# Altium PCB PIXHACK_V3D.PcbDoc (part 1 of 3) (continued)
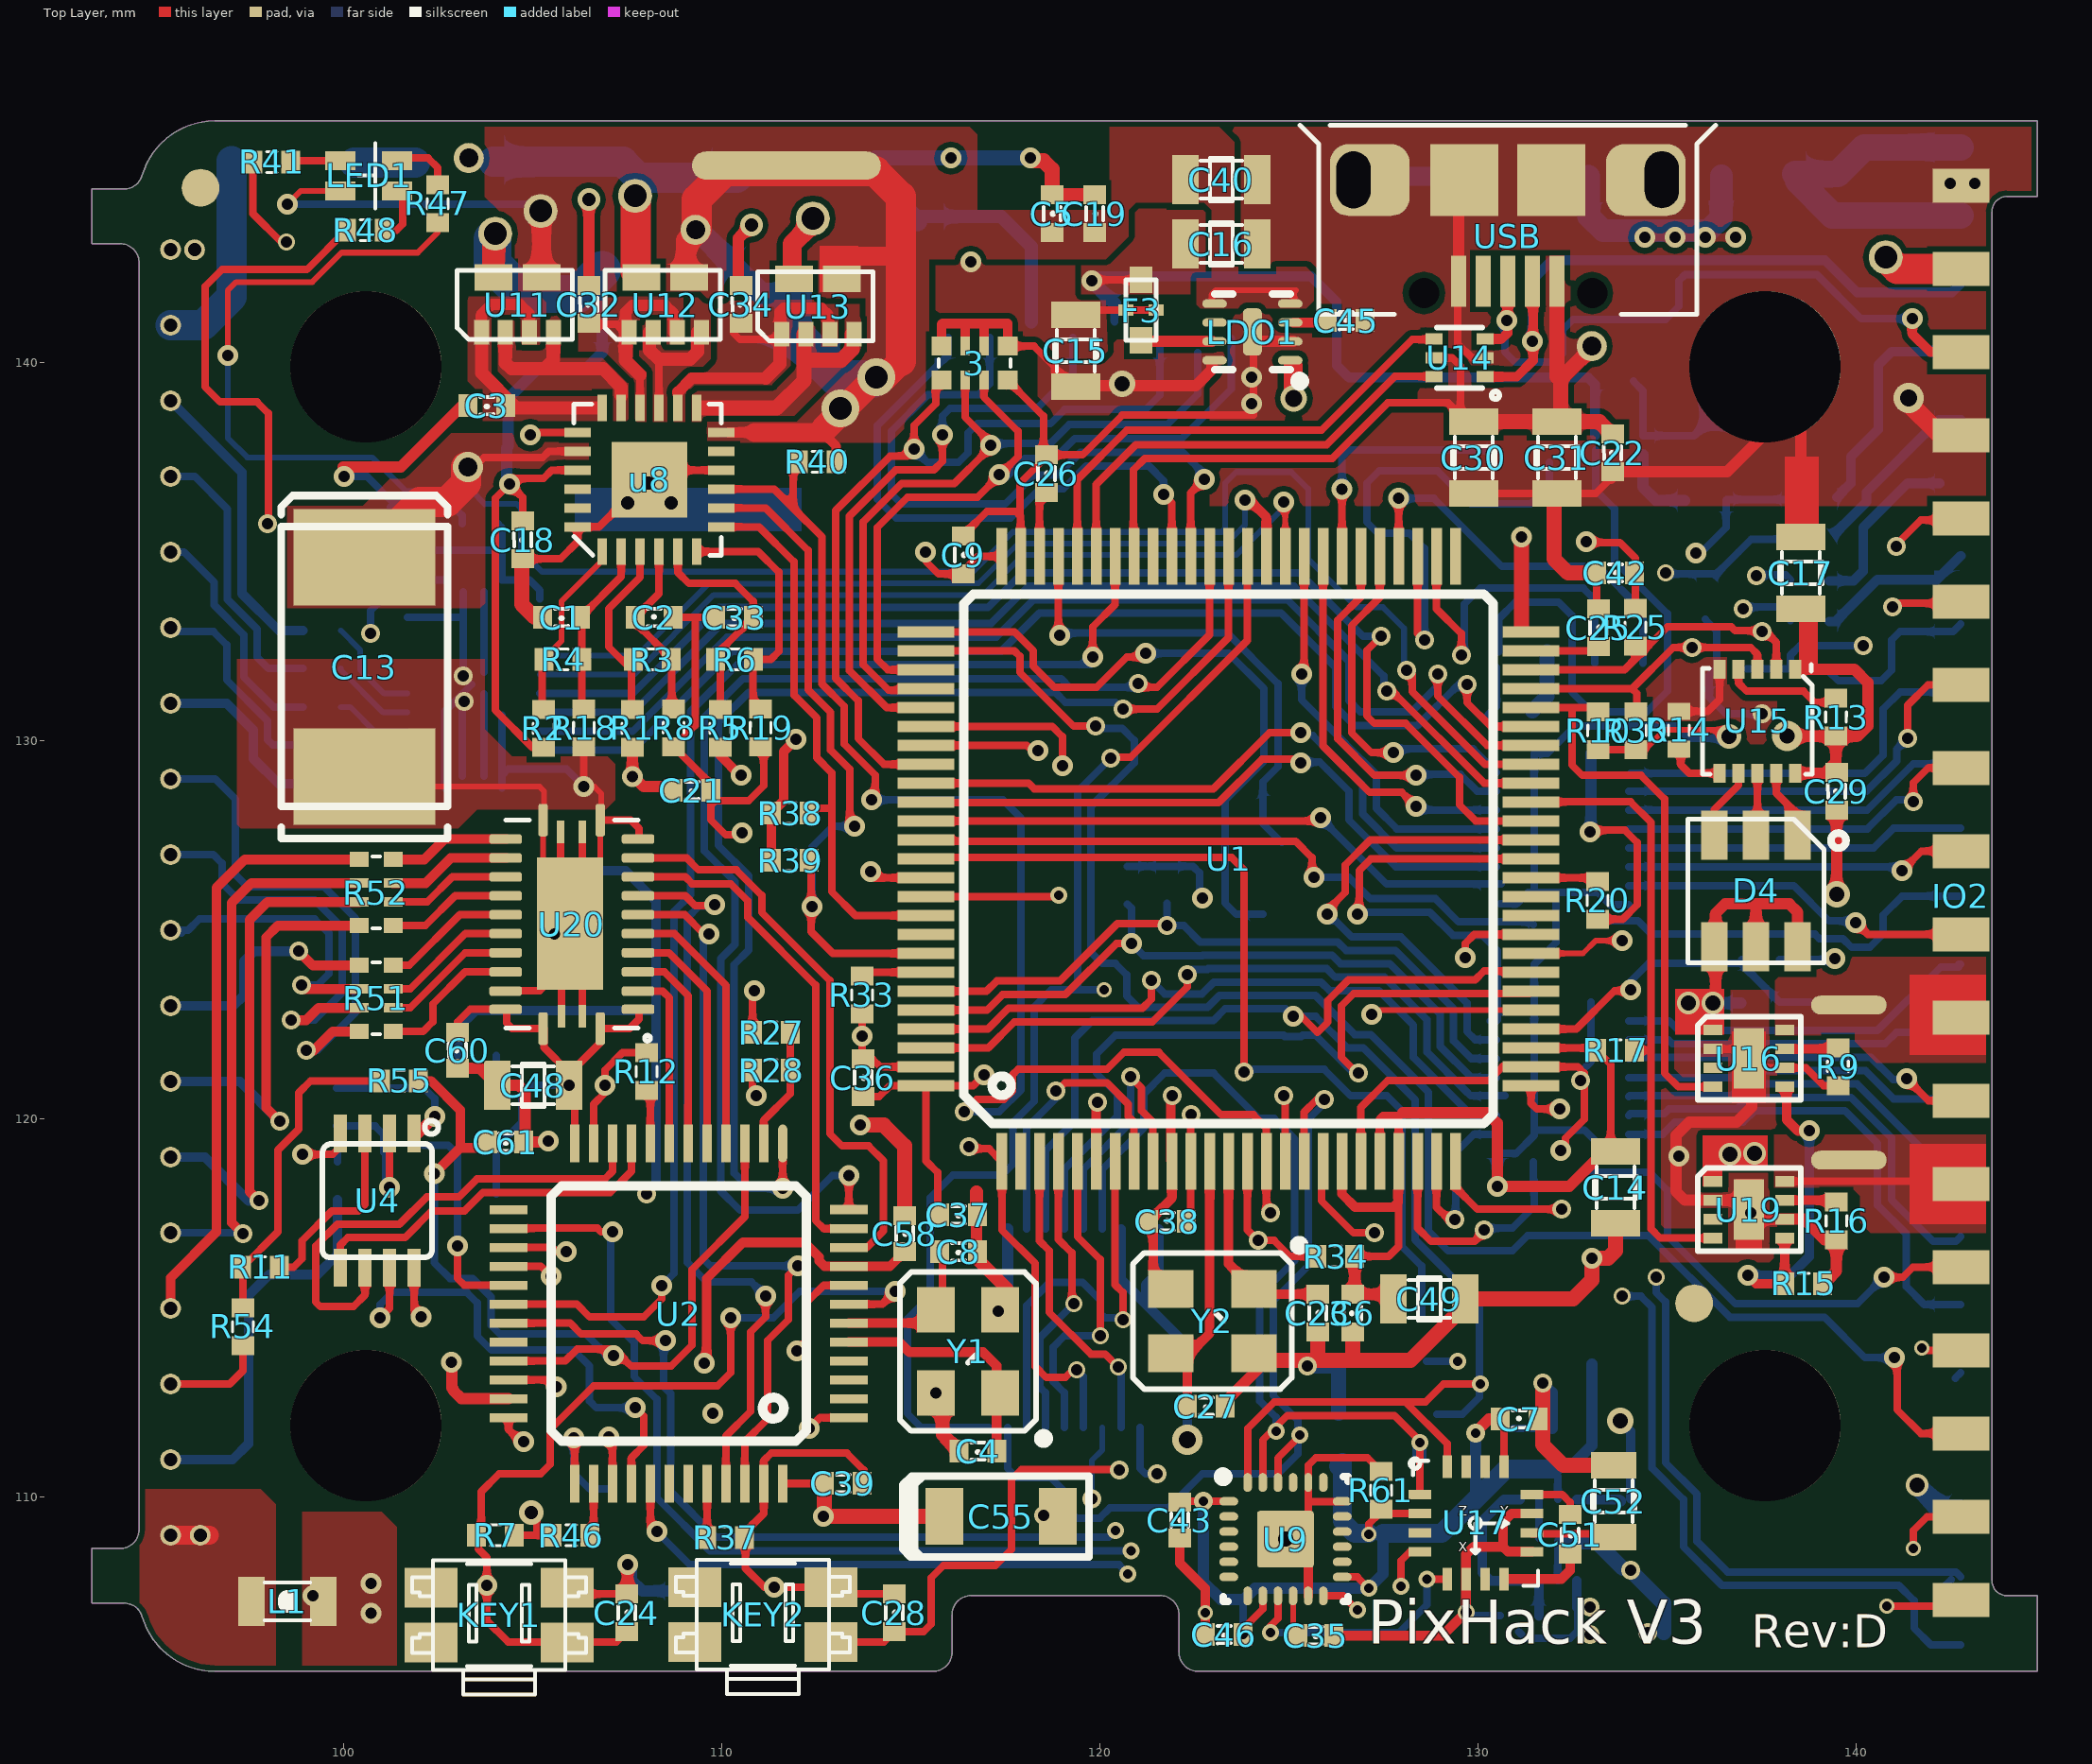
[diagram p0: Top Layer view]
## Components (designator, comment, footprint, x,y, rotation, side; value= is the part's Value field where it differs from the comment) (continued)
U13 "NTHD4102PT1G" 1206A?03 112.5,141.475 r0 top
U14 "NUF2042XV6T1G" SOT563-6 129.55,140.075 r180 top
U15 "TCA62724FMG" SON10 137.406,130.606 r270 top
U16 "BQ243156" QFN8#1 137.152,121.589 r0 top
U17 "HMC5983" HMC5983 130.025,109.275 r0 top
U18 "ms5611" ms5611 127.425,112.875 r270 bottom
U19 "BQ243156" QFN8#2 137.152,117.588 r0 top
U20 "SN74LVC8T245" QFN24-RGY 105.975,125.025 r90 top
USB "moles usb" "MOLES USB" 130.704,143.547 r0 top
Y1 "NX3225SA-24.000M-STD-CRS-2" TSX-3225 116.586,113.871 r270 top
Y2 "NX3225SA-24.000M-STD-CRS-2" TSX-3225 122.928,114.731 r0 top

## Footprints (in the part's own frame and the unit in brackets; to place one, negate y for a bottom-side part, rotate by r counter-clockwise, add the part's x,y. Pads: shape width x height; smd on the part's side, far side on the other; paste and mask are expansions set on the pad)
0402_4R#1 [mm]
  rect 0.525x0.5 smd: 1(-0.85,-0.425) 4(0.9,-0.425) 5(0.9,0.475) 8(-0.85,0.475)
  rect 0.25x0.5 smd: 2(-0.225,-0.425) 3(0.275,-0.425) 6(0.275,0.475) 7(-0.225,0.475)
  silkscreen extent -0.93,-0.08 0.97,0.12, body extent -0.97,-0.5 1.03,0.5, height 0.45
0402_4R#2 [mm]
  rect 0.4x0.5 smd: 1(-0.85,-0.425) 4(0.9,-0.425) 5(0.9,0.475) 8(-0.85,0.475)
  rect 0.25x0.5 smd: 2(-0.225,-0.425) 3(0.275,-0.425) 6(0.275,0.475) 7(-0.225,0.475)
  silkscreen extent -0.93,-0.08 0.97,0.12, body extent -0.97,-0.5 1.03,0.5, height 0.45
0402CAP#1 [mm]
  rect 0.5x0.6 smd: 1(0.5,0) 2(-0.5,0)
  silkscreen extent -0.18,-0.23 0.18,0.23, body extent -0.5,-0.25 0.5,0.25, height 0.5
0402CAP#2 [mm]
  rect 0.5x0.6 smd: 1(-0.475,-0.025) 2(0.475,-0.025)
  silkscreen extent -0.18,-0.25 0.18,0.2, body extent -0.5,-0.28 0.5,0.22, height 0.5
0402CAP#3 [mm]
  rect 0.5x0.6 smd: 1(0.55,0) 2(-0.5,0)
  silkscreen extent -0.18,-0.23 0.18,0.23, body extent -0.5,-0.25 0.5,0.25, height 0.5
0603RGB [mm]
  rect 0.5x0.8 smd: 1(0.45,-0.825) 2(-0.35,-0.825) 3(-0.35,0.675) 4(0.45,0.675)
  silkscreen extent -0.81,-0.25 0.91,0.2, body extent -0.77,-0.87 0.85,0.75, height 0.8
0805CAP [mm]
  rect 0.7x1.3 smd: 1(-0.95,-0.025) 2(0.95,-0.025)
  silkscreen extent -0.55,-0.6 0.55,0.55, body extent -1.02,-0.62 0.98,0.58, height 1.2
0805cap#1 [mm]
  rect 0.7x1.3 smd: 1(-0.95,-0.025) 2(0.95,-0.025)
  silkscreen extent -0.55,-0.6 0.55,0.55, body extent -1.02,-0.62 0.98,0.58, height 1.2
0805cap#2 [mm]
  rect 0.7x1.2 smd: 1(-0.95,-0.025) 2(0.95,-0.025)
  silkscreen extent -0.55,-0.6 0.55,0.55, body extent -1.02,-0.62 0.98,0.58, height 1.2
0805L [mm]
  rect 0.7x1.3 smd: 1(-0.95,0.025) 2(0.95,0.025)
  silkscreen extent -0.6,-0.47 0.6,0.53, body extent -0.97,-0.6 1.03,0.65, height 0.45
1206A?03 [mm]
  rect 0.4x0.65 smd: 1(-0.918,-0.73) 2(-0.283,-0.73) 3(0.352,-0.73) 4(0.987,-0.73)
  rect 1x0.7 smd: 5(0.67,0.725) 8(-0.6,0.725)
  silkscreen extent -1.56,-0.91 1.49,0.92, body extent -1.53,-1.08 1.58,1.13, height 1.1
7343CAP#1 [mm]
  rect 2x3.5 smd: A(-2.518,-0.084) C(3.289,-0.084)
  silkscreen extent -4.15,-2.28 4.92,2.12, body extent -3.14,-2.4 4.16,1.9, height 2.25
7343CAP#2 [mm]
  rect 2.55x3.75 smd: A(-2.518,-0.084) C(3.289,-0.084)
  silkscreen extent -4.15,-2.28 4.92,2.12, body extent -3.14,-2.4 4.16,1.9, height 2.25
47352-1001 [mm]
  rect 0.7x1.5 smd: 1(-2.233,4.902) 2(-1.133,4.502) 3(-0.033,4.902) 4(1.067,5.122) 5(2.167,4.902) 6(3.267,5.122) 7(4.367,4.902) 8(5.467,4.902)
  rect 1.4x1.9 smd: NC(-7.143,8.732) NC(6.257,7.732)
  rect 1.8x1.8 smd: NC1(-1.043,-5.85) NC2(4.657,-5.85)
  silkscreen extent -7.59,-5.82 6.71,10.98, body extent -7.4,-6.11 6.7,9.09, height 1.9
0547220204 [mm]
  rect 0.25x1.25 smd: 1(-2.05,2.475) 2(-1.55,2.475) 3(-1.05,2.475) 4(-0.55,2.475) 5(-0.05,2.475) 6(0.45,2.475) 7(0.95,2.475) 8(1.45,2.475) 9(1.95,2.475) 10(2.45,2.475) 11(2.45,-2.775) 12(1.95,-2.775) 13(1.45,-2.775) 14(0.95,-2.775) 15(0.45,-2.775) 16(-0.05,-2.775) 17(-0.55,-2.775) 18(-1.05,-2.775) 19(-1.55,-2.775) 20(-2.05,-2.775)
  silkscreen extent -3.58,-2.67 3.97,2.33, body extent -3.6,-3.13 4,2.87, height 1.07
c1206a [mm]
  rect 1x1.5 smd: 1(0,0) 2(3,0)
  silkscreen extent -1.09,-1.07 3.83,1.07, body extent -0.1,-0.81 3.1,0.79, height 0.95
ESD0402 [mm]
  rect 0.5x0.6 smd: 1(-0.55,-0.025) 2(0.45,-0.025)
  silkscreen extent -0.05,-0.33 -0.05,0.27, body extent -0.55,-0.28 0.45,0.22, height 0.3
EVQ-P7J01P#1 [mm]
  rect 1.4x1.05 smd: A1(-1.799,0.763) A2(1.801,0.763) A3(-1.799,-0.687) A4(1.801,-0.687)
  silkscreen extent -2.3,-2.06 2.3,1.49, body extent -2.35,-2.05 2.35,1.5, height 1.35
EVQ-P7J01P#2 [mm]
  rect 1.4x1.05 smd: A1(-1.799,0.763) A2(1.801,0.763) A4(1.801,-0.687) B3(-1.799,-0.687)
  silkscreen extent -2.3,-2.06 2.3,1.49, body extent -2.35,-2.05 2.35,1.5, height 1.35
HMC5983 [mm]
  rect 0.6x0.25 smd: 1(-1.577,0.784) 2(-1.577,0.276) 3(-1.577,-0.228) 4(-1.577,-0.728) 9(1.393,-0.728) 10(1.393,-0.228) 11(1.393,0.276) 12(1.393,0.784)
  rect 0.25x0.6 smd: 5(-0.852,-1.453) 6(-0.352,-1.453) 7(0.152,-1.453) 8(0.66,-1.453) 13(0.66,1.518) 14(0.152,1.518) 15(-0.352,1.518) 16(-0.852,1.518)
  silkscreen extent -1.83,-1.63 1.55,1.73, body extent -1.6,-1.47 1.44,1.57, height 0.9
KYOCERA-KNH16-DA [mm]
  rect 0.3x0.4 smd: 0(0.022,0.283) 0(0.022,-0.517)
  rect 0.7x0.6 smd: 1(0.822,-0.117) 2(-0.778,-0.117)
  silkscreen extent -0.78,-0.52 0.82,0.28
LRTB [mm]
  rect 0.7x1.3 smd: A1(-1.008,1.477) A2(0.092,1.477) A3(1.192,1.477) C1(-1.008,-1.473) C2(0.092,-1.473) C3(1.192,-1.473)
  silkscreen extent -2.29,-1.9 1.89,1.9, body extent -1.67,-1.8 1.83,1.8, height 2.01
mic5530 [mm] "QFN, 8-Leads, Body 2.0x2.0mm (max), Pitch 0.00mm, Pitch1 0.50mm, IPC Medium Density"
  oval 0.65x0.225 smd: 1(-1,0.75) 2(-1,0.25) 3(-1,-0.25) 4(-1,-0.75) 5(1,-0.75) 6(1,-0.25) 7(1,0.25) 8(1,0.75)
  rrect50% 0.5x1.25 smd: 2(0,0)
  silkscreen extent -1.38,-1 1,1.42, body extent -1,-1 1,1, height 0.85
MIC5530 [mm] "QFN, 8-Leads, Body 2.0x2.0mm (max), Pitch 0.00mm, Pitch1 0.50mm, IPC Medium Density"
  oval 0.65x0.225 smd: 1(-1,0.75) 2(-1,0.25) 3(-1,-0.25) 4(-1,-0.75) 5(1,-0.75) 6(1,-0.25)
  rrect50% 0.5x1.25 smd: 2(0,0)
  oval 0.65x0.25 smd: 7(1,0.25) 8(1,0.75)
  silkscreen extent -1.37,-1 1,1.43, body extent -1,-1 1,1, height 0.85
"MOLES USB" [mm]
  round 0 hole 0.8: 0(-2.142,-1.716) 0(2.308,-1.716)
  rect 0.4x1.35 smd: 1(1.376,-1.4) 2(0.726,-1.4) 3(0.075,-1.4) 4(-0.575,-1.4) 5(-1.225,-1.4)
  round 0 hole 0.9 slot 1.5 at 90 deg: 5(-4.005,1.275) 5(4.149,1.282)
  rrect50% 2.1x1.9 smd: 5(-3.575,1.273) 5(3.726,1.273)
  rect 1.8x1.9 smd: 5(-1.073,1.273) 5(1.227,1.273)
  Top Layer lines w0.254: 0.02,-1.88 0.071,-1.829 0.075,-1.825
  silkscreen extent -5.42,-2.27 5.58,2.73, body extent -3.92,-1.87 4.06,3.56, height 2.67
MS621FE [mm]
  rect 1.7x0.75 smd: 1(-3.817,0.739) 2(-3.817,-0.761)
  silkscreen extent -2.06,-3.41 4.73,3.39, body extent -4.65,-3.4 4.65,3.4, height 2.6
ms5611 [mm]
  rect 0.6x1.1 smd: 1(1.925,1.125) 2(0.675,1.125) 3(-0.575,1.125) 4(-1.825,1.125) 5(-1.825,-1.075) 6(-0.575,-1.075) 7(0.675,-1.075) 8(1.925,-1.075)
  silkscreen extent -2.7,-1.73 2.8,1.77, body extent -2.47,-1.53 2.53,1.47, height 1
PIX_OP [mm]
  rect 1.5x0.9 smd: 1(0.323,-17.367) 2(0.323,-15.167) 3(0.323,-12.967) 4(0.323,-10.767) 5(0.323,-8.567) 6(0.323,-6.367) 7(0.323,-4.167) 8(0.323,-1.967) 9(0.323,0.233) 10(0.323,2.433) 11(0.323,4.633) 12(0.323,6.833) 13(0.323,9.033) 14(0.323,11.233) 15(0.323,13.433) 16(0.323,15.633) 17(0.323,17.833) 18(0.323,20.033)
  rect 1.4x0.8 smd far side: 19(0.315,-18.556) 20(0.315,-16.756) 21(0.315,-14.956) 22(0.315,-13.156) 23(0.315,-11.356) 24(0.315,-9.556) 25(0.315,-7.756) 26(0.315,-5.956) 27(0.315,-4.156) 28(0.315,-2.356) 29(0.315,-0.556) 30(0.315,1.244) 31(0.315,3.044) 32(0.315,4.844) 33(0.315,6.644) 34(0.315,8.444) 35(0.315,10.244) 36(0.315,12.044) 37(0.315,13.844) 38(0.315,15.644) 39(0.315,17.444) 40(0.315,19.244) 41(0.315,21.044)
pix_pwm_out [mm]
  round 4 hole 4: 0(1.524,-8.331)
  rect 2x1 smd far side: 1(-3.41,-11.235)
  rect 1.5x1 smd far side: 2(-3.645,-9.235) 3(-3.645,-7.235) 4(-3.645,-5.235) 5(-3.645,-3.235) 6(-3.645,-1.235) 7(-3.645,0.765) 8(-3.645,2.765) 9(-3.645,4.765) 10(-3.645,6.765) 11(-3.645,8.765) 12(-3.645,10.765) 13(-3.645,12.765) 14(-3.645,14.765) 15(-3.645,16.765) 16(-3.645,18.765) 17(-3.645,20.765)
  rect 1.8x1 smd far side: 18(-3.51,22.765)
QFN8#1 [mm]
  rect 0.5x0.28 smd: 1(-0.95,0.75) 2(-0.95,0.25) 3(-0.95,-0.25) 4(-0.95,-0.75) 5(0.95,-0.75) 6(0.95,-0.25) 7(0.95,0.25) 8(0.95,0.75)
  rect 0.8x1.6 smd paste+0: 2(0,0)
  silkscreen extent -1.35,-1.1 1.38,1.1, body extent -1.03,-1 1.08,1, height 0.94
QFN8#2 [mm]
  rect 0.5x0.28 smd: 1(-0.95,0.75) 2(-0.95,0.25) 3(-0.95,-0.25) 4(-0.95,-0.75) 5(0.95,-0.75) 6(0.95,-0.25) 7(0.95,0.25) 8(0.95,0.75)
  rect 0.8x1.6 smd: 6(0,0)
  silkscreen extent -1.35,-1.1 1.38,1.1, body extent -1.03,-1 1.08,1, height 0.94
QFN20-RGY [mm]
  rect 0.85x0.28 smd: 1(-1.79,-0.672) 10(2.71,-0.672) 11(2.71,0.828) 20(-1.79,0.828)
  rect 0.28x0.85 smd: 2(-1.29,-1.672) 3(-0.79,-1.672) 4(-0.29,-1.672) 5(0.21,-1.672) 6(0.71,-1.672) 7(1.21,-1.672) 8(1.71,-1.672) 9(2.21,-1.672) 12(2.21,1.828) 13(1.71,1.828) 14(1.21,1.828) 15(0.71,1.828) 16(0.21,1.828) 17(-0.29,1.828) 18(-0.79,1.828) 19(-1.29,1.828)
  silkscreen extent -2.11,-1.99 2.71,1.83, body extent -1.77,-1.73 2.67,1.83, height 1
QFN24 [mm]
  rect 0.7x0.25 smd: 1(-1.928,1.276) 2(-1.928,0.775) 3(-1.928,0.276) 4(-1.928,-0.225) 5(-1.928,-0.724) 6(-1.928,-1.225) 13(1.872,-1.225) 14(1.872,-0.724) 15(1.872,-0.225) 16(1.872,0.276) 17(1.872,0.775) 18(1.872,1.276)
  rect 0.25x0.7 smd: 7(-1.278,-1.875) 8(-0.778,-1.875) 9(-0.278,-1.875) 10(0.222,-1.875) 11(0.722,-1.875) 12(1.222,-1.875) 19(1.222,1.926) 20(0.722,1.926) 21(0.222,1.926) 22(-0.278,1.926) 23(-0.778,1.926) 24(-1.278,1.926)
  rect 2x2 smd: 10(-0.028,0.026)
  silkscreen extent -2.03,-1.88 1.97,2.03, body extent -2.02,-1.92 1.97,2.07, height 1
QFN24-0.4 [mm] "QFN24-0.4"
  oval 0.5x0.225 smd: 1(-1.5,1) 2(-1.5,0.6) 3(-1.5,0.2) 4(-1.5,-0.2) 5(-1.5,-0.6) 6(-1.5,-1) 13(1.5,-1) 14(1.5,-0.6) 15(1.5,-0.2) 16(1.5,0.2) 17(1.5,0.6) 18(1.5,1)
  oval 0.225x0.5 smd: 7(-1,-1.5) 8(-0.6,-1.5) 9(-0.2,-1.5) 10(0.2,-1.5) 11(0.6,-1.5) 12(1,-1.5) 19(1,1.5) 21(0.2,1.5) 22(-0.2,1.5) 23(-0.6,1.5) 24(-1,1.5)
  rrect10% 1.5x1.5 smd: 20(0,0)
  oval 0.2x0.5 smd: 20(0.6,1.5)
  silkscreen extent -1.77,-1.65 1.65,1.77, body extent -1.5,-1.5 1.5,1.5, height 1
QFN24-RGY [mm]
  rrect50% 0.864x0.25 smd mask+0.07: 1(-2.647,-0.804) 12(2.864,-0.804) 13(2.864,0.708) 24(-2.647,0.708)
  rrect50% 0.25x0.864 smd mask+0.07: 2(-2.139,-1.804) 3(-1.656,-1.804) 4(-1.148,-1.804) 5(-0.64,-1.804) 6(-0.136,-1.804) 7(0.364,-1.804) 8(0.864,-1.804) 9(1.364,-1.804) 10(1.864,-1.804) 11(2.364,-1.804) 14(2.364,1.699) 15(1.864,1.699) 16(1.364,1.699) 17(0.864,1.699) 18(0.364,1.699) 19(-0.136,1.699) 20(-0.64,1.699) 21(-1.148,1.699) 22(-1.656,1.699) 23(-2.139,1.699)
  rect 0.6x0.2 smd mask+0.07: 22(-2.325,-0.325) 22(-2.325,0.225) 22(2.55,-0.325) 22(2.55,0.25)
  rect 3.5x1.75 smd mask+0.07: 22(0.125,0)
  silkscreen extent -2.98,-2.13 2.86,1.7, body extent -2.65,-1.8 2.87,1.72, height 1
R0402#1 [mm]
  rect 0.5x0.6 smd: 1(-0.494,-0.021) 2(0.506,-0.021)
  silkscreen extent -0.13,-0.3 0.15,0.25, body extent -0.5,-0.27 0.5,0.23, height 0.3
R0402#2 [mm]
  rect 0.45x0.6 smd: 1(-0.494,-0.021) 2(0.506,-0.021)
  silkscreen extent -0.13,-0.3 0.15,0.25, body extent -0.5,-0.27 0.5,0.23, height 0.3
SO-8 [mil]
  round 20 on Bottom Overlay: 0(-28.5,62.8)
  rect 59.06x25 smd: 1(-112.5,75)
  rrect50% 59.06x25 smd: 2(-112.5,25) 3(-112.5,-25) 4(-112.5,-75) 5(112.5,-75) 6(112.5,-25) 7(112.5,25) 8(112.5,75)
  silkscreen extent -51,-99 50,101, body extent -118,-96 118,96
SOD323 [mm]
  rect 0.6x0.8 smd: 1(-0.217,1.264) 2(-0.217,-1.236)
  silkscreen extent -0.87,-1.56 0.43,1.26, body extent -0.87,-1.28 0.48,1.32, height 1.1
SOD-123#1 [mm]
  rect 1.1x1.25 smd: 1(-1.427,0.107)
  rect 1.25x1.25 smd: 2(1.323,0.107)
  silkscreen extent -1,-0.78 1.54,1, body extent -1.77,-0.65 1.93,0.95, height 1.27
SOD-123#2 [mm]
  rect 1x1.25 smd: 1(-1.427,0.107)
  rect 1.25x1.25 smd: 2(1.423,0.107)
  silkscreen extent -1,-0.78 1.54,1, body extent -1.77,-0.65 1.93,0.95, height 1.27
SON10 [mm]
  rect 0.5x0.32 smd: 1(-1.275,0.975) 2(-1.275,0.475) 3(-1.275,-0.025) 4(-1.275,-0.525) 5(-1.275,-1.025) 6(1.475,-1.025) 7(1.475,-0.525) 8(1.475,-0.025) 9(1.475,0.475) 10(1.475,0.975)
  silkscreen extent -1.4,-1.48 1.5,1.43, body extent -1.4,-1.53 1.6,1.48, height 0.92
SOT563-6 [mm]
  rect 0.45x0.3 smd: 1(-0.635,0.459) 2(-0.635,-0.041) 3(-0.635,-0.541) 4(0.715,-0.541) 5(0.715,-0.041) 6(0.715,0.459)
  silkscreen extent -1,-0.84 0.64,1.05, body extent -0.76,-0.85 0.86,0.75, height 0.58
TQFP48 [mm]
  rect 1x0.24 smd: 1(-4.65,2.85) 2(-4.65,2.35) 3(-4.65,1.85) 4(-4.65,1.35) 5(-4.65,0.85) 6(-4.65,0.35) 7(-4.65,-0.15) 8(-4.65,-0.65) 9(-4.65,-1.15) 10(-4.65,-1.65) 11(-4.65,-2.15) 12(-4.65,-2.65) 25(4.35,-2.65) 26(4.35,-2.15) 27(4.35,-1.65) 28(4.35,-1.15) 29(4.35,-0.65) 30(4.35,-0.15) 31(4.35,0.35) 32(4.35,0.85) 33(4.35,1.35) 34(4.35,1.85) 35(4.35,2.35) 36(4.35,2.85)
  oval 0.24x1 smd: 13(-2.9,-4.4)
  rect 0.24x1 smd: 14(-2.4,-4.4) 15(-1.9,-4.4) 16(-1.4,-4.4) 17(-0.9,-4.4) 18(-0.4,-4.4) 19(0.1,-4.4) 20(0.6,-4.4) 21(1.1,-4.4) 22(1.6,-4.4) 23(2.1,-4.4) 24(2.6,-4.4) 37(2.6,4.6) 38(2.1,4.6) 39(1.6,4.6) 40(1.1,4.6) 41(0.6,4.6) 42(0.1,4.6) 43(-0.4,4.6) 44(-0.9,4.6) 45(-1.4,4.6) 46(-1.9,4.6) 47(-2.4,4.6) 48(-2.9,4.6)
  silkscreen extent -3.52,-3.27 3.23,3.48, body extent -4.66,-4.41 4.36,4.61, height 1.1
TQFP100_2 [mm]
  rect 1.5x0.29 smd: 1(-7.675,6.55) 2(-7.675,6.05) 3(-7.675,5.55) 4(-7.675,5.05) 5(-7.675,4.55) 6(-7.675,4.05) 7(-7.675,3.55) 8(-7.675,3.05) 9(-7.675,2.55) 10(-7.675,2.05) 11(-7.675,1.55) 12(-7.675,1.05) 13(-7.675,0.55) 14(-7.675,0.05) 15(-7.675,-0.45) 16(-7.675,-0.95) 17(-7.675,-1.45) 18(-7.675,-1.95) 19(-7.675,-2.45) 20(-7.675,-2.95) 21(-7.675,-3.45) 22(-7.675,-3.95) 23(-7.675,-4.45) 24(-7.675,-4.95) 25(-7.675,-5.45) 51(8.325,-5.45) 52(8.325,-4.95) 53(8.325,-4.45) 54(8.325,-3.95) 55(8.325,-3.45) 56(8.325,-2.95) 57(8.325,-2.45) 58(8.325,-1.95) 59(8.325,-1.45) 60(8.325,-0.95) 61(8.325,-0.45) 62(8.325,0.05) 63(8.325,0.55) 64(8.325,1.05) 65(8.325,1.55) 66(8.325,2.05) 67(8.325,2.55) 68(8.325,3.05) 69(8.325,3.55) 70(8.325,4.05) 71(8.325,4.55) 72(8.325,5.05) 73(8.325,5.55) 74(8.325,6.05) 75(8.325,6.55)
  rect 0.29x1.5 smd: 26(-5.675,-7.45) 27(-5.175,-7.45) 28(-4.675,-7.45) 29(-4.175,-7.45) 30(-3.675,-7.45) 31(-3.175,-7.45) 32(-2.675,-7.45) 33(-2.175,-7.45) 34(-1.675,-7.45) 35(-1.175,-7.45) 36(-0.675,-7.45) 37(-0.175,-7.45) 38(0.325,-7.45) 39(0.825,-7.45) 40(1.325,-7.45) 41(1.825,-7.45) 42(2.325,-7.45) 43(2.825,-7.45) 44(3.325,-7.45) 45(3.825,-7.45) 46(4.325,-7.45) 47(4.825,-7.45) 48(5.325,-7.45) 49(5.825,-7.45) 50(6.325,-7.45) 76(6.325,8.55) 77(5.825,8.55) 78(5.325,8.55) 79(4.825,8.55) 80(4.325,8.55) 81(3.825,8.55) 82(3.325,8.55) 83(2.825,8.55) 84(2.325,8.55) 85(1.825,8.55) 86(1.325,8.55) 87(0.825,8.55) 88(0.325,8.55) 89(-0.175,8.55) 90(-0.675,8.55) 91(-1.175,8.55) 92(-1.675,8.55) 93(-2.175,8.55) 94(-2.675,8.55) 95(-3.175,8.55) 96(-3.675,8.55) 97(-4.175,8.55) 98(-4.675,8.55) 99(-5.175,8.55) 100(-5.675,8.55)
  silkscreen extent -6.67,-6.45 7.33,7.55, body extent -7.65,-7.45 8.35,8.55, height 1.2
"TSSOP8 - duplicate" [mm]
  rect 1x0.35 smd: 1(-1.595,0.925) 2(-1.595,0.275) 3(-1.595,-0.375) 4(-1.595,-1.025) 5(1.955,-1.025) 6(1.955,-0.375) 7(1.955,0.275) 8(1.955,0.925)
  silkscreen extent -1.94,-1.5 1.68,1.56, body extent -1.93,-1.6 2.17,1.5, height 1.1
TSX-3225 [mm]
  rect 1.2x1 smd: 1(1.133,0.764) 2(-1.067,0.764) 3(-1.067,-0.936) 4(1.133,-0.936)
  silkscreen extent -2.07,-1.89 2.43,2.01, body extent -1.6,-1.33 1.6,1.17, height 0.6

## Part data
3 R51 R52: library part 0402_4R
C1 C2 C3 C4 C5 C6 C8 C9 C10 C14 C15 C16 C17 C18 C19 C20 C21 C22 C23 C24 C25 C26 C27 C28 C29 C30 C31 C32 C33 C34 C36 C37 C38 C39 C40 C41 C42 C44 C45 C48 C49 C50 C54 C55 C56 C57 C58 C59 C60 C61 C62: library part Cap
C7 C35 C43 C46 C47 C51 C52 C53: library part Cap, "Capacitor"
C11 C12 C13: library part "Cap Pol1", "Polarized Capacitor (Radial)"
CON2: library part 47352-1001
D2 D3 d5: library part "D Schottky", "Schottky Diode"
ESD2: library part ESD0402
F1 F2: library part "Fuse 1", "Fuse"
L1 R1 R2 R3 R4 R5 R6 R7 R8 R9 R10 R11 R12 R13 R14 R15 R16 R17 R18 R19 R20 R21 R22 R23 R24 R25 R26 R27 R28 R29 R30 R31 R32 R33 R34 R35 R36 R37 R38 R39 R40 R41 R42 R43 R44 R45 R46 R47 R48 R49 R50 R53 R54 R55 R56 R57 R58 R59 R60 R61: library part Res2, "Resistor"
LDO1 LDO2: library part MIC5530
U5: library part Component_1
Y1 Y2: library part TSX-3225

## Free pads (board coordinates)
  round 1.5 smd far side: 1(104.8,112.8) 1(104.95,109.575) 1(107.1,109.6) 1(109.75,112.2) 1(111.95,130.025) 1(116.9,121.55) 1(124.5,127.8) 1(133,113.5)
  round 1.4 smd far side: 1(124.5,125.675)
  round 4 hole 4: 2(100.584,139.883) 2(137.584,111.883) 2(137.584,139.883)
  round 0.8 smd: 3(103.3,145.4) 3(104,143.4) 3(105.2,144) 3(107.7,144.4) 3(109.3,143.5) 3(112.4,143.8)
  round 0.8 hole 0.5: 3(103.3,145.4) 3(109.3,143.5) 3(133,140.425)
  round 0.9 hole 0.6: 3(104,143.4) 3(105.2,144) 3(107.7,144.4) 3(112.4,143.8) 3(140.775,142.775)
  round 0.55 hole 0.35: 4(95.415,108.979) 5(95.415,110.979) 5(96.2,108.979) 7(95.415,112.979) 7(95.415,114.979) 8(95.415,116.979) 9(95.415,118.979) 10(95.415,120.979) 11(95.415,122.979) 12(95.415,124.979) 13(95.415,126.979) 14(95.415,128.979) 15(95.415,130.979) 16(95.415,132.979) 16(95.415,138.979) 17(95.415,134.979) 17(95.415,140.979) 18(95.415,136.979) 18(95.415,142.979) 18(96.05,142.975)
  round 1 smd: 6(96.207,144.615) 6(135.707,115.115)
  oval 5x0.75 smd: 19(111.7,145.2)
  oval 2x0.5 smd: 20(139.8,118.9) 21(139.8,123)

## Via types
v1: diameter 0.55, hole 0.3, Top Layer to Bottom Layer, 129 vias
v2: diameter 0.5, hole 0.3, Top Layer to Bottom Layer, 50 vias
v3: diameter 0.5, hole 0.3, Top Layer to Bottom Layer, tented both sides, 14 vias
v4: diameter 0.45, hole 0.25, Top Layer to Bottom Layer, tented both sides, 12 vias
v5: diameter 0.45, hole 0.3, Top Layer to Bottom Layer, 9 vias
v6: diameter 0.4, hole 0.25, Top Layer to Bottom Layer, tented both sides, 7 vias
v7: diameter 0.6, hole 0.4, Top Layer to Bottom Layer, 5 vias
v8: diameter 0.6, hole 0.35, Top Layer to Bottom Layer, 5 vias
v9: diameter 0.45, hole 0.3, Top Layer to Bottom Layer, tented both sides, 2 vias
v10: diameter 0.7, hole 0.4, Top Layer to Bottom Layer, 2 vias
v11: diameter 1, hole 0.6, Top Layer to Bottom Layer, 2 vias
v12: diameter 0.5, hole 0.25, Top Layer to Bottom Layer, tented both sides, 2 vias
v13: diameter 0.45, hole 0.25, Top Layer to Bottom Layer, 2 vias
v14: diameter 0.7, hole 0.4, Top Layer to Bottom Layer, tented both sides, 1 vias
v15: diameter 0.6, hole 0.4, Top Layer to Bottom Layer, tented both sides, 1 vias
v16: diameter 0.8, hole 0.5, Top Layer to Bottom Layer, 1 vias
v17: diameter 0.65, hole 0.4, Top Layer to Bottom Layer, 1 vias
v18: diameter 0.8, hole 0.45, Top Layer to Bottom Layer, 1 vias
v19: diameter 0.8, hole 0.4, Top Layer to Bottom Layer, 1 vias
v20: diameter 0.7, hole 0.45, Top Layer to Bottom Layer, 1 vias
v21: diameter 0.65, hole 0.35, Top Layer to Bottom Layer, 1 vias
v22: diameter 0.8, hole 0.45, Top Layer to Bottom Layer, tented both sides, 1 vias

## Nets (pads, with @x,y where several pads share a name; then routed paths per layer and width w, separated by ;. In a path a pad name is that pad's centre, name@x,y a point inside that pad or via, vN(x,y) a via of type N, cw(c..) or ccw(c..) an arc to the next point about the centre after c; other vN are vias at no path point)
3.3V-2: F3.1 LDO1.7 | length 1.9
  Top Layer w0.3: F3.1@121.1,140.55 LDO1.7@122.95,140.55
3.3V-4: C7.1 C43.1 C46.1 C47.1 C50.1 C53.1 LDO2.7 pad.1@133,113.5 R61.2 U9.1 U9.8 U9.13 U17.2 U17.13 U18.1 | length 32.3
  Top Layer w0.2: C43.1@122.325,109.85 122.35,109.875 U9.1@123.4,109.875 ; v6(123.775,106.35) 123.775,106.5 124.3,107.025 U9.8@124.3,107.375 ; U9.13@126.4,107.875 126.8,107.875 v4(127.1,107.575) ; v6(127.1,109) 127.1,109.275 127.376,109.551 U17.2@128.448,109.551 ; C7.1@130.625,112.175 130.685,112.115 U17.13@130.685,110.793
  Top Layer w0.3: v12@129.925,111.7 130.275,112.05 C7.1@130.575,112.05
  Signal1 w0.3: v4(127.1,107.575) v6(127.1,109)
  Bottom Layer w0.2: v6(123.775,106.35) 123.775,107.254 ; C53.1@131.937,110.688 132.1,110.525 LDO2.7@132.1,109.925
  Bottom Layer w0.3: v12(122.725,109.875) 122.725,107.75 123.196,107.279 123.8,107.279 ; 123.775,107.254 124.096,107.575 v4(127.1,107.575) 127.475,107.95 C50.1@127.475,108.825 C50.1@127.475,109.025 ; 129.925,110.15 v12(129.925,111.675) ; C47.1@131.1,110.8 C53.1@132,110.8 ; C53.1@131.95,110.8 132.45,110.8 133,111.35 pad.1@133,113.5
  Bottom Layer w0.5: U18.1@126.3,110.8 126.4,110.9 126.4,109.35 126.725,109.025 C50.1@127.1,109.025 ; C50.1@127.475,109.025 129.025,109.025 130.725,110.725 C53.1@131.975,110.725
3V3_SENSORS_EN: U1.2
5V_HIPOWER_OC: R17.2 U1.41 U19.4 | length 15.7
  Top Layer w0.2: U1.41@132.025,128.375 134.025,128.375 134.571,127.829 134.571,117.079 134.812,116.838 U19.4@136.202,116.838 ; R17.2@134.056,121.804 134.546,121.804
5V_PERIRH_OC: R10.2 U1.46 U16.4 | length 14.7
  Top Layer w0.2: U1.46@131.394,130.867 132.475,130.867 ; R10.2@133.1,130.867 132.475,130.867 ; U16.4@136.202,120.839 135.286,120.839 134.925,121.2 134.925,128.45 134.3,129.075 132.75,129.075 132.475,129.35 132.475,130.867
A_CH1: R60.1 U3.14 | length 1.9
  Bottom Layer w0.15: R60.1@99.919,128.854 100.679,128.854 101.061,129.236 U3.14@101.676,129.236
A_CH2: R59.1 U3.15 | length 1.8
  Bottom Layer w0.15: R59.1@99.919,129.879 100.062,129.736 U3.15@101.676,129.736
A_CH3: R58.1 U3.16 | length 2
  Bottom Layer w0.15: R58.1@99.919,130.879 100.171,130.879 100.814,130.236 U3.16@101.676,130.236
A_CH4: R57.1 U3.17 | length 2.3
  Bottom Layer w0.15: R57.1@99.919,131.904 99.919,131.856 101.039,130.736 U3.17@101.676,130.736
A_CH5: R56.1 U3.18 | length 2.8
  Bottom Layer w0.15: R56.1@99.919,132.904 100.425,132.398 100.425,131.875 101.064,131.236 U3.18@101.676,131.236
ACCEL_MAG_CS: CON3.5 U1.9 | length 6.9
  Top Layer w0.2: v2(120.8,121.1) 121.096,120.804 121.096,120.208 121.394,119.91 U1.9@121.394,118.867
  Bottom Layer w0.2: CON3.5@119.55,117.075 119.55,118.651 120.804,119.905 120.804,120.996 v2@120.8,121
ADC1: R26.1 U1.18 | length 30.3
  Top Layer w0.2: U1.18@125.894,118.867 125.85,118.823 125.85,117.825 126.7,116.975 v2(127.25,116.975)
  Signal1 w0.254: v2(127.25,116.975) 127.25,116.625 127.475,116.4 130.5,116.4 131.1,117 132.806,117 133.765,117.959 133.765,121.887 133.3,122.352 133.3,123.8 133.6,124.1 134.294,124.1 134.845,124.651 134.845,132.503 135.337,132.995 135.895,132.995 136.425,133.525 v2@137,133.525
  Bottom Layer w0.2: v2@137,133.525 138.075,133.525 138.256,133.344 R26.1@138.256,133.171
  other v2: 137,133.475
ADC1_IN: IO2.35 R26.2 | length 4.2
  Bottom Layer w0.254: R26.2@139.281,133.146 139.446,133.146 139.85,133.55 140.55,134.25 142.126,134.25 IO2.35@142.759,134.883
ADC2: R32.1 U1.33 | length 15.6
  Top Layer w0.15: U1.33@131.394,124.367 132.767,124.367 133.1,124.7 v1(133.8,124.7) v1@134,124.7
  Signal1 w0.254: v1(133.8,124.7) 133.7,124.8 133.7,125.421 134.437,126.158 134.437,132.672 135.168,133.403 135.726,133.403 136.375,134.052 137.127,134.052 v2@137.35,134.275
  Bottom Layer w0.2: v2@137.35,134.375 138.127,134.375 R32.1@138.256,134.246
  other v2: 137.35,134.35
ADC2_IN: IO2.36 R32.2 | length 4.7
  Bottom Layer w0.254: R32.2@139.281,134.221 139.921,134.221 140.175,134.475 140.175,135.625 141.35,136.8 IO2.36@142.2,136.8
ADC6.6: IO2.34 R43.2 | length 4.8
  Bottom Layer w0.2: R43.2@139.256,131.921 139.256,131.844 139.525,131.575 140.65,131.575 140.925,131.85 140.925,132.65 141.15,132.875 142.551,132.875 IO2.34@142.759,133.083
ALARM: IO2.3 U1.77 | length 44.9
  Top Layer w0.2: U1.77@115.394,132.367 117.733,132.367 117.875,132.225 117.875,131.8 119.3,130.375 v2(119.875,130.375) ; v1(141,113.675) 141.075,113.6 141.075,112.3 141.703,111.672 IO2.3@142.767,111.672
  Bottom Layer w0.2: v2(119.875,130.375) 119.929,130.321 120.579,130.321 120.9,130 120.9,129.4 119.754,128.254 119.754,124.4 120.054,124.1 120.4,124.1 120.7,123.8 120.7,123.242 121,122.942 122.841,122.942 123.153,123.254 125.695,123.254 126.728,122.221 127.155,122.221 128.683,120.693 128.683,117.017 129.2,116.5 130.9,116.5 131.3,116.9 134.499,116.9 136.653,114.746 139.154,114.746 140.225,113.675 v1(141,113.675)
ARBER_LED: R48.2 U2.28 | length 39.4
  Top Layer w0.2: v3@98,135.725 98,138.65 97.7,138.95 96.725,138.95 96.325,139.35 96.325,142 96.775,142.45 99.023,142.45 R48.2@100.069,143.496 ; U2.28@104.354,116.091 105.209,116.091 v1(105.475,115.825)
  Signal1 w0.2: v3@98.1,135.725 102.35,135.725 105.448,132.627 105.448,126.198 104.446,125.196 104.446,116.854 v1(105.475,115.825)
  other v3: 97.975,135.725
AUX_CH1: IO1.12 pad.15 R60.2 | length 4.8
  Bottom Layer w0.254: IO1.12@95.415,130.979 96.896,130.979 97.6,130.275 97.6,129.525 98.271,128.854 R60.2@98.919,128.854
AUX_CH2: IO1.13 pad.16@95.415,132.979 R59.2 | length 5.6
  Bottom Layer w0.2: IO1.13@95.415,132.979 95.519,132.875 96.55,132.875 96.9,132.525 96.9,131.6 97.981,130.519 97.981,130.019 98.121,129.879 R59.2@98.919,129.879
AUX_CH3: IO1.14 pad.17@95.415,134.979 R58.2 | length 6.2
  Bottom Layer w0.2: IO1.14@95.415,134.979 95.771,134.979 96.565,134.185 96.565,133.581 97.35,132.796 97.35,131.675 98.146,130.879 R58.2@98.919,130.879
  Bottom Layer w0.254: IO1.14@95.4,135 IO1.14@95.415,135
AUX_CH4: IO1.15 pad.18@95.415,136.979 R57.2 | length 7.4
  Bottom Layer w0.2: IO1.15@95.415,136.979 96.058,136.979 96.919,136.118 96.919,133.727 97.704,132.942 97.704,132.2 98,131.904 R57.2@98.919,131.904
AUX_CH5: IO1.16 pad.16@95.415,138.979 R56.2 | length 7.9
  Bottom Layer w0.254: IO1.16@95.415,138.979 97.3,137.094 97.3,133.885 98.281,132.904 R56.2@98.919,132.904
AUX_CH6: U3.19
BARO_CS: U1.88 U18.5 | length 24.5
  Top Layer w0.2: U1.88@115.394,126.867 U1.88@115.95,126.867 ; U1.88@115.95,126.9 123.481,126.9 123.8,126.581 v2(123.8,121.225)
  Bottom Layer w0.2: v2(123.8,121.225) 123.8,121.1 123.825,121.075 124.05,121.3 125.925,121.3 126.625,120.6 127.584,120.6 127.975,120.209 127.975,116.625 128.5,116.1 U18.5@128.5,114.7
BARO_EXT_CS: CON3.8 U1.8 | length 7.8
  Top Layer w0.2: v2@118.837,120.712 119.071,120.946 120.179,120.946 120.742,120.383 120.742,120.058 120.894,119.906 U1.8@120.894,118.867
  Bottom Layer w0.2: CON3.8@118.05,117.075 118.05,119.75 v2@118.95,120.65
  other v2: 118.825,120.725
BATT_CURRENT: IO2.37 R23.2 | length 4.7
  Bottom Layer w0.254: R23.2@139.471,135.514 140.269,136.312 140.269,136.569 142.183,138.483 IO2.37@142.759,138.483
BATT_CURRENT_SENT: R23.1 R24.2 U1.26 | length 20.7
  Top Layer w0.2: U1.26@131.394,120.867 131.394,120.406 131.55,120.25 v1(132.15,120.25)
  Signal1 w0.254: v1(132.15,120.25) 132.148,120.252 132.148,122.227 132.35,122.429 132.35,125.225 133.621,126.496 133.621,133.021 134.9,134.3 v5@134.9,134.5 ; v5@134.925,134.45 134.943,134.432 v5(134.957,134.432) ; v5@134.95,134.38 v5@134.95,134.425
  Bottom Layer w0.2: v5@134.925,134.45 134.943,134.432 v5(134.957,134.432) 135.156,134.394 v5@135.156,134.4 ; v5@134.95,134.425 134.975,134.4 v5@135.156,134.4 ; R23.1@138.256,135.321 137.221,135.321 136.875,134.975 136.3,134.4 v5@135.156,134.4
BATT_VOLTAGE: IO2.38 R35.2 | length 6.3
  Bottom Layer w0.254: R35.2@139.481,136.431 139.85,136.8 139.85,137.5 140.575,138.225 140.575,139.925 140.933,140.283 IO2.38@142.759,140.283
BATT_VOLTAGE_SENS: R35.1 R36.2 U1.25 | length 27
  Top Layer w0.2: U1.25@129.394,118.867 129.394,118.181 129.975,117.6 v2(132.2,117.6)
  Signal1 w0.254: v2@132.15,117.525 132.748,117.525 133.357,118.134 133.357,121.718 132.758,122.317 132.758,125.056 134.029,126.327 134.029,132.852 134.988,133.811 135.511,133.811 135.75,134.05 v1@135.75,134.925
  Bottom Layer w0.2: 136,135.075 136.55,135.625 136.55,136.35 136.571,136.371 R35.1@138.256,136.371
  other v1: 135.75,134.95
BOOT0: R33.1 U1.94 | length 1.7
  Top Layer w0.2: R33.1@113.658,123.867 U1.94@115.394,123.867
BOOT1: R20.1 U1.37 | length 1.6
  Top Layer w0.2: U1.37@131.394,126.367 R20.1@133.031,126.367
BRICK_VALID: R38.2 U1.91 u8.7 | length 14.8
  Top Layer w0.2: u8.7@109.983,135.644 110.981,135.644 111.9,134.725 111.91,134.725 111.91,131.191 112.505,130.596 112.505,129.539 112.9,129.144 112.9,126 113.533,125.367 U1.91@115.394,125.367 ; R38.2@112.331,128.204 112.896,128.204
CAN1_RX: IO2.13 U1.81 | length 37.7
  Top Layer w0.2: U1.81@115.394,130.367 118.733,130.367 119,130.1 v1(119,129.325) ; v2(140.95,133.525) 141.05,133.625 142.72,133.625 IO2.13@142.767,133.672
  Signal1 w0.2: v1(119,129.325) 119,129 119.604,128.396 122.378,128.396 123.828,126.946 128.907,126.946 129.858,127.897 131.892,127.897 132.796,128.801 132.796,133.345 134.054,134.603 134.054,135.303 134.797,136.046 136.253,136.046 136.853,135.446 138.728,135.446 139.404,134.771 140.329,134.771 140.95,134.15 v2(140.95,133.525)
CAN1_TX: IO2.14 U1.82 | length 36.9
  Top Layer w0.2: U1.82@115.394,129.867 118.058,129.867 118.35,129.575 v1(118.35,129.725) ; v2@141.075,135.2 141.7,135.825 142.72,135.825 IO2.14@142.767,135.872
  Signal1 w0.2: v1(118.35,129.725) 118.675,130.05 119.225,130.05 119.54,129.735 119.54,129.082 119.872,128.75 122.525,128.75 123.975,127.3 128.761,127.3 129.712,128.251 131.746,128.251 132.442,128.948 132.442,133.492 133.7,134.75 133.7,135.45 134.65,136.4 136.4,136.4 137,135.8 138.875,135.8 139.55,135.125 v2(141.05,135.125)
CH1: U2.10 U20.10 | length 15.4
  Top Layer w0.2: U20.10@107.804,126.889 109.061,126.889 109.375,126.575 110.375,126.575 111.05,125.9 111.05,125.451 112.85,123.651 112.85,119.6 113.175,119.275 113.875,119.275 114.271,118.879 114.271,117.029 113.833,116.591 U2.10@113.354,116.591
CH2: U2.11 U20.9 | length 13.3
  Top Layer w0.2: U20.9@107.804,126.389 109.031,126.389 109.21,126.21 110.224,126.21 110.685,125.749 110.685,125.315 112.475,123.525 112.475,117.3 112.684,117.091 U2.11@113.354,117.091
CH3: U2.45 U20.8 | length 19.9
  Top Layer w0.2: U20.8@107.804,125.889 109.031,125.889 109.294,125.625 v1@109.8,125.625 ; U2.45@110.104,110.341 110.104,111.604 110.75,112.25 110.75,114.35 111.15,114.75 v1(111.15,115.3)
  Bottom Layer w0.2: v1@109.813,125.612 109.387,125.612 109.079,125.304 109.079,116.196 109.6,115.675 110.775,115.675 v1(111.15,115.3)
  other v1: 109.8,125.65
CH4: U2.46 U20.7 | length 19.4
  Top Layer w0.2: U20.7@107.804,125.389 109.011,125.389 109.5,124.9 v1@109.65,124.9 ; U2.46@110.604,110.341 110.604,111.454 111.2,112.05 111.2,114.125 111.75,114.675 111.75,115.85 v1(112,116.1)
  Bottom Layer w0.2: v1@109.5,124.725 109.5,116.291 109.691,116.1 v1(112,116.1)
  other v1: 109.65,124.875
CH5: U2.16 U20.6 | length 7
  Top Layer w0.2: U20.6@107.804,124.889 108.736,124.889 110.104,123.521 U2.16@110.104,119.341
CH6: U2.17 U20.5 | length 6.3
  Top Layer w0.2: U20.5@107.804,124.385 108.59,124.385 109.604,123.371 U2.17@109.604,119.341
CH7: U2.18 U20.4 | length 6.5
  Top Layer w0.2: U20.4@107.804,123.877 108.473,123.877 109.104,123.246 U2.18@109.104,119.341 109.091,119.354 109.091,120.346
CH8: U2.19 U20.3 | length 4.7
  Top Layer w0.2: U20.3@107.804,123.369 108.431,123.369 108.604,123.196 U2.19@108.604,119.341
DM: IO2.39 U14.1 USB.2 | length 17
  Top Layer w0.254: U14.1@130.185,139.616 131.016,139.616 131.45,140.05 USB.2@131.45,142
  Bottom Layer w0.254: v1@131.425,140.6 131.425,142.175 131.95,142.7 139.168,142.7 140.018,141.85 142.526,141.85 IO2.39@142.759,142.083
  other v1: 131.425,140.55
DP: IO2.16 U14.3 USB.3 | length 17.6
  Top Layer w0.254: U14.3@130.185,140.616 130.616,140.616 130.775,140.775 130.775,141.718 USB.3@130.775,141.875 ; v1(141.475,141.15) 141.475,140.75 141.953,140.272 IO2.16@142.767,140.272
  Bottom Layer w0.2: v1@130.7,141.125 130.7,140.275 130.975,140 132,140 132.225,140.225 132.225,140.85 132.5,141.125 134.95,141.125 135.3,141.475 135.3,142.15 135.469,142.319 138.956,142.319 140.125,141.15 v1(141.475,141.15)
  other v1: 130.75,141.1
EXTERN_DRDY: U1.36